# Altium PCB VESC_DEVICE.PcbDoc (part 1 of 2) (continued)
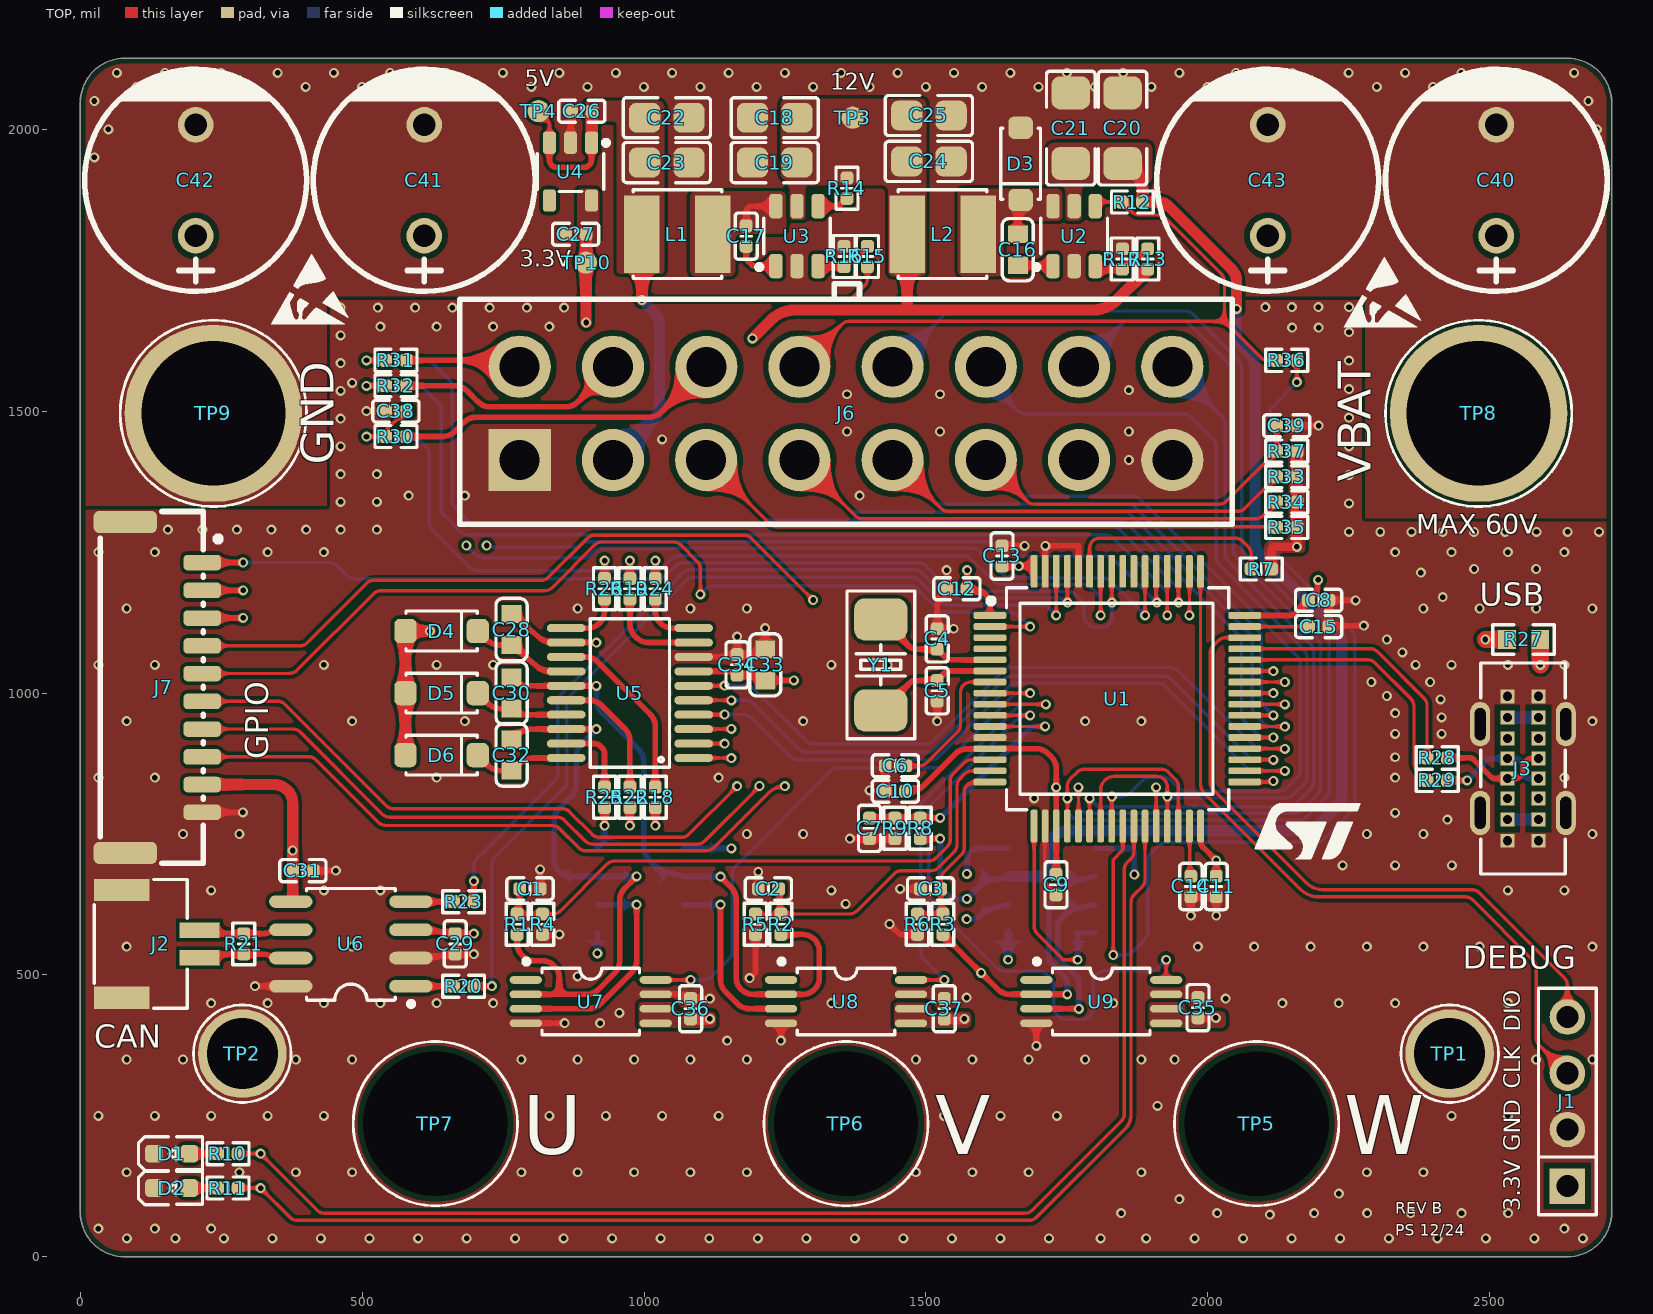
[diagram p0: TOP view]
## Footprints (in the part's own frame and the unit in brackets; to place one, negate y for a bottom-side part, rotate by r counter-clockwise, add the part's x,y. Pads: shape width x height; smd on the part's side, far side on the other; paste and mask are expansions set on the pad)
C0402 [mm] "C0402"
  rrect52% 0.58x0.58 smd mask+0.05: 1(-0.46,0) 2(0.46,0)
  silkscreen extent -1.04,-0.5 1.04,0.5, body extent -0.5,-0.25 0.5,0.25, height 0.55
C0603 [mil] "C0603"
  rect 31.5x35.4 smd: 1(-27.6,0) 2(27.6,0)
  silkscreen extent -55,-28 55,28, body extent -32,-16 31,16, height 35
C0805 [mil] "C0805"
  rrect50% 55.5x53.1 smd: 1(-39.4,0) 2(39.4,0)
  silkscreen extent -77,-36 77,36, body extent -39,-25 39,25, height 55
C1206 [mil] "C1206"
  rrect50% 58.5x68 smd: 1(-62.7,0) 2(62.6,0)
  silkscreen extent -101,-43 101,43, body extent -63,-31 63,31, height 50
CAP-TH_BD10.0-P5.00-D0.6-FD [mm]
  round 1.6 hole 1 paste-2539.97 mask+0.05: 1(-2.5,0) 2(2.5,0)
  silkscreen extent -5,-5 5.08,5, body extent -4.99,-5 5,5, height 24.91
CONN-SMD_10P-P1.25_JS_GH125-S10CCA-00 [mm]
  rrect50% 0.7x1.68 smd paste+0 mask+0.05: 1(-5.625,1.733) 2(-4.375,1.733) 3(-3.125,1.733) 4(-1.875,1.733) 5(-0.625,1.733) 6(0.625,1.733) 7(1.875,1.733) 8(3.125,1.733) 9(4.375,1.733) 10(5.625,1.733)
  rrect50% 1x2.85 smd paste+0 mask+0.05: 11(7.455,-1.733) 12(-7.455,-1.733)
  silkscreen extent -7.92,-2.86 7.92,2.58, body extent -7.9,-2.85 7.9,2.08, height 4.15
CONN-TH_HC5557-2X8A [mm]
  rect 2.8x2.8 hole 1.8: 1(-14.7,-2.1)
  round 2.8 hole 1.8: 2(-14.7,2.1) 3(-10.5,-2.1) 4(-10.5,2.1) 5(-6.3,-2.1) 6(-6.29,2.091) 7(-2.1,-2.1) 8(-2.1,2.1) 9(2.1,-2.1) 10(2.1,2.1) 11(6.3,-2.1) 12(6.3,2.1) 13(10.5,-2.1) 14(10.5,2.1) 15(14.7,-2.1) 16(14.7,2.1)
  silkscreen extent -17.4,-5 17.4,5.84, body extent -17.4,-4.95 17.4,6.45, height 13.2
HDR-SMD_8P-P1.27-V-M-C2-C4-LS5.3 [mm]
  rect 0.74x2.4 smd paste+0 mask+0.05: 1(-1.905,1.95) 2(-1.905,-1.95) 3(-0.635,1.95) 4(-0.635,-1.95) 5(0.635,1.95) 6(0.635,-1.95) 7(1.905,1.95) 8(1.905,-1.95)
  silkscreen extent -2.84,-1.7 2.69,2.64, body extent -2.74,-2.4 2.74,2.4, height 4.5
HOLE-4MM_M [mm]
  round 4 hole 3.2: 1(0,0)
  silkscreen extent -2.2,-2.2 2.2,2.2
HOLE-8MM_M#1 [mm]
  round 0 hole 6.5 unplated: 1(0,0)
  silkscreen extent -3.7,-3.7 3.7,3.7
HOLE-8MM_M#2 [mm]
  round 8 hole 6.5: 1(0,0)
  silkscreen extent -4.2,-4.2 4.2,4.2
ISP-4P-2_54 [mm] "ISP-4P-2_54"
  rect 1.6x1.6 hole 1: 1(-3.81,0)
  round 1.6 hole 1: 2(-1.27,0) 3(1.27,0) 4(3.81,0)
  silkscreen extent -5.1,-1.3 5.1,1.3, body extent -5.08,-1.33 5.09,1.33, height 8.54
L4020 [mil] "L4020"
  rect 63x137.8 smd: 1(-63,0) 2(63,0)
  silkscreen extent -79,-79 79,79, body extent -79,-79 79,79, height 73
LED0603 [mil] "LED0603"
  rrect50% 31.5x31.5 smd: 1(-31.5,0) 2(31.5,0)
  silkscreen extent -59,-30 55,30
LQFP64_10X10_05P [mm] "LQFP64_10X10_05P"
  rrect50% 0.3x1.475 smd: 1(-3.749,-5.751) 2(-3.249,-5.751) 3(-2.749,-5.751) 4(-2.249,-5.751) 5(-1.749,-5.751) 6(-1.249,-5.751) 7(-0.749,-5.751) 8(-0.249,-5.751) 9(0.251,-5.751) 10(0.751,-5.751) 11(1.251,-5.751) 12(1.751,-5.751) 13(2.251,-5.751) 14(2.751,-5.751) 15(3.251,-5.751) 16(3.751,-5.751) 33(3.751,5.725) 34(3.251,5.725) 35(2.751,5.725) 36(2.251,5.725) 37(1.751,5.725) 38(1.251,5.725) 39(0.751,5.725) 40(0.251,5.725) 41(-0.249,5.725) 42(-0.749,5.725) 43(-1.249,5.725) 44(-1.749,5.725) 45(-2.249,5.725) 46(-2.749,5.725) 47(-3.249,5.725) 48(-3.749,5.725)
  rrect50% 1.475x0.3 smd: 17(5.739,-3.763) 18(5.739,-3.263) 19(5.739,-2.763) 20(5.739,-2.263) 21(5.739,-1.763) 22(5.739,-1.263) 23(5.739,-0.763) 24(5.739,-0.263) 25(5.739,0.237) 26(5.739,0.737) 27(5.739,1.237) 28(5.739,1.737) 29(5.739,2.237) 30(5.739,2.737) 31(5.739,3.237) 32(5.739,3.737) 49(-5.737,3.737) 50(-5.737,3.237) 51(-5.737,2.737) 52(-5.737,2.237) 53(-5.737,1.737) 54(-5.737,1.237) 55(-5.737,0.737) 56(-5.737,0.237) 57(-5.737,-0.263) 58(-5.737,-0.763) 59(-5.737,-1.263) 60(-5.737,-1.763) 61(-5.737,-2.263) 62(-5.737,-2.763) 63(-5.737,-3.263) 64(-5.737,-3.763)
  silkscreen extent -5,-5.83 5,5, body extent -5.97,-6 6.03,6, height 1.31
R0402 [mm] "R0402"
  rrect52% 0.58x0.58 smd mask+0.05: 1(-0.46,0) 2(0.46,0)
  silkscreen extent -0.94,-0.5 0.94,0.5, body extent -0.5,-0.25 0.5,0.25, height 0.4
R0603 [mil] "R0603"
  rect 31.7x34 smd: 1(-29.6,0) 2(29.6,0)
  silkscreen extent -54,-26 54,26, body extent -31,-17 31,17, height 20
SHORT#1 [mil] "SHORT"
  rect 30x15 smd far side paste-99999 mask+0: 1(-14.9,0) 2(14.9,0)
SHORT#2 [mil] "SHORT"
  rect 30x15 smd far side mask+0: 1(-14.9,0)
  rect 30x15 smd far side paste+0 mask+0: 2(14.9,0)
SMD5032-2P [mil] "SMD5032-2P"
  rrect50% 74.8x94.5 smd: 1(-80.7,0) 2(80.7,0)
  silkscreen extent -131,-60 131,60, body extent -98,-63 98,63, height 56
SMD-2P-1_25 [mil] "SMD-2P-1_25"
  rect 27.6x70.9 smd: 1(-24.6,76.75) 2(24.6,76.75)
  rect 39.4x98.4 smd: 3(-95.5,-61.05) 4(95.5,-61.05)
  silkscreen extent -114,-110 114,55, body extent -113,-109 113,85, height 165
SOD-123F [mil] "SOD-123F"
  rrect50% 39.4x43.3 smd: 1(-64.1,0) 2(64.1,0)
  silkscreen extent -63,-35 63,35, body extent -73,-35 73,35, height 47
SOP-8 [mil] "SOP-8"
  oval 22.4x76.81 smd: 1(-75,-106.5) 2(-25,-106.5) 3(25,-106.5) 4(75,-106.5) 5(75,106.5) 6(25,106.5) 7(-25,106.5) 8(-75,106.5)
  silkscreen extent -110,-111 98,79, body extent -96,-118 96,118, height 69
SOT-23-5 [mm] "SOT-23-5"
  rrect50% 1.001x0.599 smd: 1(1.301,-0.95) 2(1.301,0) 3(1.301,0.95) 4(-1.301,0.95) 5(-1.301,-0.95)
  silkscreen extent -0.9,-1.7 1.4,1.5, body extent -1.4,-1.45 1.4,1.45, height 1.3
SOT-23-6 [mm] "SOT-23-6"
  rrect50% 1.1x0.599 smd: 1(1.349,-0.95) 2(1.349,0) 3(1.349,0.95) 4(-1.349,0.95) 5(-1.349,0) 6(-1.349,-0.95)
  silkscreen extent -0.8,-1.8 1.5,1.5, body extent -1.4,-1.45 1.4,1.45, height 0.97
test_point_100_smd [mm] "TEST_POINT_100_SMD"
  round 1 smd paste-100 mask+0.05: 1(0,0)
TSSOP-8 [mil] "TSSOP-8"
  oval 13.9x57.2 smd: 1(-38.4,-115.2) 2(-12.8,-115.2) 3(12.8,-115.2) 4(38.4,-115.2) 5(38.4,115.2) 6(12.8,115.2) 7(-12.8,115.2) 8(-38.4,115.2)
  silkscreen extent -75,-118 59,87, body extent -59,-126 59,126, height 47
TSSOP-20 [mil] "TSSOP-20"
  oval 14.29x68.58 smd: 1(-115.2,-113) 2(-89.6,-113) 3(-64,-113) 4(-38.4,-113) 5(-12.8,-113) 6(12.8,-113) 7(38.4,-113) 8(64,-113) 9(89.6,-113) 10(115.2,-113) 11(115.2,113) 12(89.6,113) 13(64,113) 14(38.4,113) 15(12.8,113) 16(-12.8,113) 17(-38.4,113) 18(-64,113) 19(-89.6,113) 20(-115.2,113)
  silkscreen extent -132,-70 132,70, body extent -128,-126 128,126, height 47
TYPE-C-TH_16PLC-H10.0 [mm]
  rect 0.62x0.62 hole 0.42 paste-2539.97 mask+0.05: A1(-3.25,0.7) A4(-2.3,0.7) A5(-1.35,0.7) A6(-0.45,0.7) A7(0.45,0.7) A8(1.35,0.7) A9(2.3,0.7) A12(3.25,0.7) B1(3.25,-0.7) B4(2.3,-0.7) B5(1.35,-0.7) B6(0.45,-0.7) B7(-0.45,-0.7) B8(-1.35,-0.7) B9(-2.3,-0.7) B12(-3.25,-0.7)
  oval 2x0.9 hole 0.5 slot 1.45 at 0 deg paste-2539.97 mask+0.05: A2(-2,1.93) A10(2,1.93) B2(2,-1.93) B10(-2,-1.93)
  silkscreen extent -4.75,-1.9 4.75,1.9, body extent -4.47,-2.08 4.47,2.08, height 10

## Part data
C1 C2 C3 C4 C5 C6 C7 C8 C9 C10 C11 C12 C13 C14 C15 C16 C17 C18 C19 C20 C21 C22 C23 C24 C25 C26 C27 C28 C29 C30 C31 C32 C33 C34 C35 C36 C37 C38 C39: library part "CAP NP"
  C1 C2 C3 C4 C5 C6 C7 C8 C9 C10 C11 C12 C13 C14 C15 C17 C26 C27 C29 C31 C34 C35 C36 C37 C38 C39: PCB Footprint=C0402
  C16 C28 C30 C32 C33: PCB Footprint=C0603
  C18 C19 C22 C23 C24 C25: PCB Footprint=C0805
  C20 C21: PCB Footprint=C1206
C40 C41 C42 C43: library part ERS1VM681G16OT, "容值:680uF;精度:±20%;额定电压:35V;纹波电流:-;等效串联电阻:-;", Equivalent Series Resistance(ESR)=-, LCSC Part Name="680uF ±20% 35V", Manufacturer=AISHI(艾华集团), Rated Voltage=35V, Tolerance=±20%, Add into BOM=yes, Convert to PCB=yes, Datasheet=https://atta.szlcsc.com/upload/public/pdf/source/20191015/C438940_4B8E60A742BB0AE40DDEF87A5C89089D.pdf, Device=ERS1VM681G16OT, L=-, Lead Spacing=-, Lifetime @ Temp=-, Manufacturer Part=ERS1VM681G16OT, Ripple Current=-, Supplier=LCSC, Supplier Footprint=插件,D10xL16mm, Supplier Part=C721283, Symbol=ERS1VM681G16OT, φD=-
D1 D2: library part LED, PCB Footprint=LED0603
D3 D4 D5 D6: library part "DIODE SCHOTTKY21", PCB Footprint=SOD-123F
J3: "连接器类型:Type-C;标准:USB 3.1;公母:母;安装方式:直插;触点数量:16P;端口数量:1;额定电流 - 电源:5A;触头材质:-;触头镀层:-;工作温度范围:-40℃~+85℃;", Core Colour=黑色, Current Rating - Power (Max)=5A, LCSC Part Name="Type-C 母 直插", Manufacturer="SHOU HAN(首韩)", Operating Temperature Range=-40℃~+85℃, Rated Voltage (Max)=20V, Add into BOM=yes, Connect-Disconnect Life=1万次, Connector Type=Type-C, Contact Material=-, Contact Plating=-, Convert to PCB=yes, Datasheet=https://atta.szlcsc.com/upload/public/pdf/source/20240529/CC9428849977884A813B584EA396EFE9.pdf, Device="TYPE-C 16PLC-H10.0", Gender=母, Manufacturer Part="TYPE-C 16PLC-H10.0", Mounting Style=直插, Number of Contacts=16P, Number of Ports=1, Standard="USB 3.1", Supplier=LCSC, Supplier Footprint=插件, Supplier Part=C3151747, Symbol="TYPE-C 16PLC-H10.0"
J4 J5: Color=黑色, Current Rating (Max)=3A, JLCPCB Part Class="Extended Part", LCSC Part Name="2x4P 间距:2.54mm 方针", Manufacturer="XKB Connection(中国星坤)", Operating Temperature Range=-40℃~+105℃, Soldering Temperature(Max)=260℃, Voltage Rating (Max)=250V, Add into BOM=yes, Circluar Pins/Square Pins=方针, Contact Material=黄铜, Contact Plating=金, Convert to PCB=yes, Datasheet=https://atta.szlcsc.com/upload/public/pdf/source/20211009/E3239EE5247E6BAFECB8B74A4FCF9AB8.pdf, Device=X6521WVS-2x04H-C60D74, Insulation Height=2.5mm, Length of End Connection Pin=-, Length of Mating Pin=-, Manufacturer Part=X6521WVS-2x04H-C60D74, Mounting Type=-, Number of Pins=8P, Number of Rows=双排, Pin Structure=2x4P, Pitch=2.54mm, Row Spacing=2.54mm, Supplier=LCSC, Supplier Footprint=SMD,P=2.54mm, Supplier Part=C780053, Symbol=X6521WVS-2*04H-C60D74
J6: "插针结构:2x8P;间距:4.2mm;安装方式:直插;参考系列:Mini-Fit(MX 4.2);总PIN数:16P;排数:2;每排PIN数:8;行距:4.2mm;额定电流:9A;触头材质:黄铜;触头镀层:锡;工作温度范围:-25℃~+85℃;", Colour=-, Current Rating (Max)=9A, Flame Retardant Rating=UL94V-0, LCSC Part Name="2x8P 间距:4.2mm 直插 系列:Mini-Fit(MX 4.2)", Manufacturer=HCTL(华灿天禄), Operating Temperature Range=-25℃~+85℃, Rated Voltage (Max)=600V, Add into BOM=yes, Contact Material=黄铜, Contact Plating=锡, Convert to PCB=yes, Datasheet=https://atta.szlcsc.com/upload/public/pdf/source/20230620/FF5B1F4AE343F4430EEB0EA0134778E8.pdf, Device=HC-5557-2*8A, Manufacturer Part=HC-5557-2*8A, Mounting Style=直插, Number of Pins=16P, Number of PINs Per Row=8, Number of Rows=2, Pins Structure=2x8P, Pitch=4.2mm, Plastic Material=PA66, Reference Series="Mini-Fit(MX 4.2)", Row Spacing=4.2mm, Supplementary Features=-, Supplier=LCSC, Supplier Footprint=插件,P=4.2mm, Supplier Part=C2845783, Symbol=HC-5557-2*8A, X-Length of Bottom Edge on Board (Spacing Line)=34.8mm, Y-Width of Bottom Edge on Board=11.4mm, Z-Height of the Board=13.1mm
JP1 JP2: library part SHORT, "2 PIN SHORTED TO CONNECT DIFFERENT NETS", CLASS=DISCRETE, PART_NUMBER=TMP-442
L1 L2: library part INDUCTOR, PCB Footprint=L4020
R1 R2 R3 R4 R5 R6 R7 R8 R9 R10 R11 R12 R13 R14 R15 R16 R17 R18 R19 R20 R21 R22 R23 R24 R25 R26 R27 R28 R29 R30 R31 R32 R33 R34 R35 R36 R37: library part RESISTOR
  R1 R2 R3 R4 R5 R6 R7 R8 R9 R10 R11 R12 R13 R14 R15 R16 R17 R18 R19 R20 R21 R22 R23 R24 R25 R26 R28 R29 R30 R31 R32 R33 R34 R35 R36 R37: PCB Footprint=R0402
  R27: PCB Footprint=R0603
Y1: library part CRYSTAL, PCB Footprint=SMD5032-2P
J1: PCB Footprint=ISP-4P-2_54
J2: PCB Footprint=SMD-2P-1_25
U1: PCB Footprint=LQFP64_10X10_05P
U2 U3: PCB Footprint=SOT-23-6
U4: PCB Footprint=SOT-23-5
U6: PCB Footprint=SOP-8
U7 U8 U9: PCB Footprint=TSSOP-8

## Via types
v1: diameter 17.72, hole 9.84, TOP to BOTTOM, tented both sides, 447 vias

## Nets (pads, with @x,y where several pads share a name; then routed paths per layer and width w, separated by ;. In a path a pad name is that pad's centre, name@x,y a point inside that pad or via, vN(x,y) a via of type N, cw(c..) or ccw(c..) an arc to the next point about the centre after c; other vN are vias at no path point)
3V3: C8.2 C9.2 C10.2 C11.2 C12.2 C13.2 C27.1 C31.1 C35.2 C36.2 C37.2 J1.1 J4.7 J6.13 J7.9 R7.2 R33.2 R34.2 R35.2 R37.2 TP10.1 U1.1 U1.13 U1.19 U1.32 U1.48 U1.64 U4.5 U6.5 U7.5 U7.6 U8.5 U8.6 U9.5 U9.6 | length 8049.4
  TOP w10: C10.2@1464.11,826 1473.49,826 ccw(c1473.49,856) 1494.69,834.77 1552.2,892.28 cw(c1573.4,871.06) 1573.4,901.06 U1.13@1613.25,901.06 ; v1(1573.11,1217.86) C12.2@1573.11,1185 1583.6,1185 cw(c1583.6,1155) 1613.6,1155 U1.1@1613.6,1137.6 ; U1.13@1613.6,901.38 1695.59,901.38 cw(c1695.59,871.38) 1716.79,892.6 1722.46,886.93 cw(c1701.24,865.73) 1731.24,865.73 1731.24,837.63 cw(c1701.24,837.7) v1(1730.81,832.64) ; C13.2@1635,1225 U1.64@1691.57,1225 ; v1(1730.81,832.64) cw(c1701.24,827.57) 1731.24,827.57 U1.19@1731.24,764.06 C9.2@1731.24,678.55 ; C35.2@1982.6,423.76 v1(2014.31,423.76) ; U1.32@1987.14,764.06 1987.14,737.29 ccw(c2002.14,737.29) 1991.5,726.72 v1(2015,703.22) C11.2@2015,675 ; U1.48@2066.4,1137.6 2145.34,1137.6 ccw(c2145.34,1152.6) 2155.94,1141.99 C8.2@2178.48,1164.52 ; C8.2@2179.54,1164.52 2190.15,1175.13 ccw(c2179.54,1185.73) 2194.54,1185.73 2194.54,1199.52 v1(2195.7,1200.68)
  TOP w15: R7.2@2113.11,1220 2113.11,1256 2116.27,1259.16 v1(2158.08,1259.16) ; v1(2158.08,1259.16) R35.2@2158.11,1293.82
  TOP w20: J7.9@216.29,837.76 343.55,837.76 cw(c343.55,804.42) 376.89,804.42 v1(376.89,720.7) C31.1@376.89,685 376.89,649.77 376.86,630.01 U6.5@373.5,630 ; C27.1@896.77,1813.89 896.93,1813.73 896.93,1763.61 TP10.1@897.09,1763.45 897.09,1657.6 v1(897.4,1657.29) ; C36.2@1082.6,421.89 v1(1116.66,421.89) ; C37.2@1532.6,421.89 v1(1568.35,421.9) ; R35.2@2158.11,1293.82 R34.2@2158.11,1338.82 R33.2@2158.11,1383.82 R37.2@2158.11,1429.13
  LAYER_2 w10: v1(376.89,720.7) 444.73,720.7 ccw(c444.73,750.7) 465.93,729.47 506.66,770.2 ccw(c485.43,791.4) 515.43,791.4 515.43,1063.01 cw(c545.43,1063.01) 524.21,1084.21 641.23,1201.23 cw(c662.43,1180) 662.43,1210 704.8,1210 ccw(c704.8,1236.8) 723.74,1217.84 849.42,1343.53 ccw(c811.54,1381.41) 865.12,1381.41 865.12,1575.88 ; v1(1730.81,832.64) 1730.81,818.45 ccw(c1760.81,818.45) 1730.94,815.65 1731.32,811.53 ccw(c1751.09,813.38) 1738.28,798.21 1741.45,795.53 ccw(c1760.81,818.45) 1760.81,788.45 1887.6,788.45 cw(c1887.49,748.91) 1915.58,776.74 cw(c1883.94,745.65) 1928.3,745.65
  LAYER_2 w15: 2158.08,1225 v1(2158.08,1259.16)
  LAYER_2 w20: 865.12,1575.92 865.12,1612.57 cw(c895.12,1612.57) 873.89,1633.77 v1(897.4,1657.29) cw(c914.76,1632.81) 914.68,1662.81 1628.01,1662.81 cw(c1628.01,1607.03) 1672.35,1640.89 cw(c1629.86,1598.52) 1689.86,1598.52 1689.86,1520.12 ccw(c1749.86,1520.02) 1707.41,1477.61 J6.13@1771.65,1413.38 1771.65,1225 ; v1(1116.66,421.89) v1(1568.35,421.9) 1646.41,421.89 1653.97,414.33 ccw(c1675.15,435.58) 1675.15,405.58 1844.38,405.58 ccw(c1844.38,435.58) 1865.6,414.36 1875,423.76 ; v1(1573.11,1217.86) cw(c1601.5,1165) 1601.5,1225 v1(1665,1225) 1771.65,1225 ; 1645.67,422.63 v1(1645.67,526.92) ; 1928.3,745.65 1928.3,703.22 ; v1@2195,1200.68 v1(2195.7,1200.68) ; J1.1@2637.8,125.59 2496.13,125.59 cw(c2496.13,185.59) 2453.76,143.11 2192.49,404.38 ccw(c2145.59,357.34) 2145.59,423.76 v1(2014.31,423.76) 1875,423.76 ; 1771.65,1225 2175,1225 cw(c2175,1205) 2195,1205 2195,797.99 cw(c2135,797.99) 2177.45,755.59 2143.55,721.69 cw(c2098.92,766.37) 2098.92,703.22 v1(2015,703.22) 1928.3,703.22 ; 1875,423.76 1875,538.77 cw(c1935,538.77) 1892.55,581.17 1910.77,599.39 ccw(c1868.3,641.78) 1928.3,641.78 1928.3,703.22
  BOTTOM w15: v1(1645.67,526.92) J4.7@1645.67,574.61
5V: C22.1 C23.1 C26.1 C29.2 J6.3 L1.2 R15.2 R27.2 TP4.1 U4.1 U4.3 U6.3 | length 4317.2
  TOP w6: TP4.1@812.94,2032.21 812.94,2030.13 832.19,2010.89 U4.3@832.19,1976.2 ; v1(996.32,1697.03) cw(c1003.19,1680.4) 1003.13,1698.4 1359.72,1698.4 ccw(c1359.72,1716.4) 1372.42,1703.65 1391.06,1722.29 ccw(c1378.31,1734.99) 1396.31,1734.99 R15.2@1396.31,1756.26
  TOP w10: U6.3@586.5,580 613.7,580 613.75,579.99 659.52,573.78 C29.2@664.49,573.11 ; C29.2@665,573.11 v1(698.11,573.11) ; U4.3@832.19,1976.2 832.19,1945.56 ccw(c845.27,1945.56) 845.27,1932.47 893.53,1932.47 ccw(c893.53,1945.82) 906.88,1945.82 U4.1@906.88,1976.08
  TOP w20: U4.1@906.88,1976.08 U4.1@906.99,1976.2 907.3,1976.5 907.3,2031.69 C26.1@907.6,2032 ; v1(996.32,1697.03) 996.32,1697.14 cw(c1056.31,1697.73) 996.31,1697.62 L1.2@996.31,1814.37
  TOP w30: v1(2492.34,1095) R27.2@2530.4,1095
  LAYER_2 w10: v1(698.11,573.11) 546.74,724.48 cw(c568.01,745.63) 538.01,745.63 538.01,1055.59 cw(c568.01,1055.59) 546.79,1076.79 651.23,1181.23 cw(c672.43,1160) 672.43,1190 709.07,1190 ccw(c709.07,1220) 730.27,1198.77 J6.3@944.88,1413.38
  LAYER_2 w30: v1(996.32,1697.03) 1952.18,1697.03 cw(c1952.18,1652.88) 1983.4,1684.1 2027.01,1640.49 cw(c1995.14,1608.72) 2040.14,1608.72 2040.14,1352.64 ccw(c2085.14,1352.64) 2053.31,1320.84 2067.4,1306.75 ccw(c2099.18,1338.6) 2099.18,1293.6 2168.64,1293.6 cw(c2168.64,1248.6) 2200.44,1280.44 2372.71,1108.17 ccw(c2404.52,1140) 2404.52,1095 v1(2492.34,1095)
  BOTTOM w20: J6.3@944.88,1413.38 1020.73,1489.24 1022.3,1491.52 ccw(c997.56,1508.49) 1027.56,1508.49 1027.56,1653.37 ccw(c997.56,1653.37) 1018.78,1674.57 v1(996.32,1697.03)
12V: C18.1 C19.1 C24.1 C25.1 C33.2 C34.2 D4.2 D5.2 D6.2 L2.2 R13.2 R14.1 TP3.1 U3.5 U5.7 | length 2613.3
  TOP w10: U5.7@1088,1038.4 1145.83,1038.4 cw(c1145.83,1008.4) 1149.4,1038.19 1159.52,1036.97 C34.2@1165,1031.89 1202.3,1031.89 C33.2@1215,1025 ; C33.2@1215,1022.4 1261.94,1022.4 ccw(c1261.87,1052.4) v1(1265.67,1022.64)
  TOP w20: D6.2@576.8,890 D4.2@576.8,1110 v1(620,1110) ; v1(1192.38,1628.99) 1225.24,1661.85 cw(c1267.64,1619.4) 1267.64,1679.4 1466.5,1679.4 1466.84,1679.74 1466.84,1754.99 L2.2@1466.5,1813.89 ; 1466.84,1679.4 1796.21,1679.4 ccw(c1796.21,1739.4) 1838.61,1696.95 R13.2@1893.44,1751.78
  LAYER_2 w20: v1(620,1110) 657.45,1147.45 cw(c699.85,1105) 699.85,1165 705.53,1165 ccw(c705.53,1225) 747.93,1182.55 872.83,1307.45 cw(c915.23,1265) 915.23,1325 1191.94,1325 ; v1(1192.38,1628.99) ccw(c1251.94,1621.76) 1191.94,1621.86 1191.94,1325 ; v1(1265.67,1022.64) 1265.67,1226.42 ccw(c1205.67,1226.41) 1248.1,1268.84 1209.52,1307.43 1191.94,1325
ADC_TEMP: J4.8 U1.17 | length 360.9
  TOP w6: U1.17@1691.87,764.06 1691.87,586.83 ccw(c1711.23,586.83) 1697.51,573.17 1743.76,526.92 v1(1768.94,526.92)
  BOTTOM w10: v1(1768.94,526.92) 1768.94,574.61 J4.8@1799.21,574.61
ADC_VIN: C7.2 R8.1 R9.2 U1.11 | length 476.1
  TOP w6: U1.11@1613.6,940.8 1639.63,940.4 1639.98,940.75 v1(1711.55,940.75)
  TOP w10: C7.2@1400,778.11 1405.48,778.11 1484.52,778.11 R8.1@1490,778.11 1495.48,778.41 1521.38,778.41 ccw(c1521.3,808.41) v1(1525.35,778.69)
  BOTTOM w10: v1(1525.35,778.69) ccw(c1506.23,801.81) 1527.43,780.58 1683.45,936.61 cw(c1693.45,926.6) 1693.45,940.75 v1(1711.55,940.75)
BUCK_EN: J6.8 R12.1 R36.2 U2.4 | length 1267.4
  TOP w6: J6.8@1275.59,1578.75 cw(c1284.91,1569.68) 1275.69,1578.85 1350.77,1653.93 cw(c1363.48,1641.18) 1363.48,1659.18 2029.7,1659.18 ; U2.4@1800.34,1870.89 1806.24,1870.95 R12.1@1848.2,1870.95 1853.68,1865.47 1865.95,1853.2 ccw(c1878.66,1865.95) 1878.66,1847.95 1911.86,1847.95 cw(c1911.86,1829.95) 1924.56,1842.71 2024.45,1742.81 cw(c2011.7,1730.11) 2029.7,1730.11 2029.7,1659.18 ; R36.2@2121.89,1590 2106.33,1590 cw(c2106.33,1608) 2093.63,1595.25 2029.7,1659.18
CAN_H: J2.2 R21.1 U6.7 | length 163.2
  TOP w10: J2.2@211.75,530.4 242.2,536.89 R21.1@289.49,536.89 ; R21.1@290,536.89 323.82,536.89 cw(c323.82,506.89) 335.36,534.58 346.3,530 U6.7@373.5,530
CAN_L: J2.1 R21.2 U6.6 | length 163.2
  TOP w10: J2.1@211.75,579.6 242.2,573.11 R21.2@289.49,573.11 ; R21.2@290,573.11 323.89,573.11 ccw(c323.82,603.11) 335.4,575.44 346.3,580 U6.6@373.5,580
CAN_RX: R23.2 U1.61 | length 1496
  TOP w6: U1.61@1750.92,1215.87 1750.92,1165.01 ccw(c1768.92,1165.01) v1(1751.53,1160.37)
  TOP w10: R23.2@698.11,630 v1(698.11,666.44)
  BOTTOM w6: v1(698.11,666.44) 698.11,692.9 cw(c716.11,692.9) 703.36,705.61 841.83,844.08 ccw(c829.08,856.79) 847.08,856.79 847.08,983.95 cw(c865.08,983.95) 852.33,996.65 1069.09,1213.41 cw(c1081.8,1200.66) 1081.8,1218.66 1479.48,1218.66 cw(c1479.48,1200.66) 1492.18,1213.41 1531.76,1173.83 ccw(c1544.43,1186.62) 1544.43,1168.62 1735.83,1168.62 cw(c1735.83,1150.62) 1748.56,1163.34 v1(1751.53,1160.37)
CAN_TX: R20.2 U1.62 | length 1654.2
  TOP w6: v1(1730.92,1137.6) ccw(c1713.24,1140.95) 1731.24,1140.95 U1.62@1731.24,1215.87
  TOP w10: R20.2@698.11,480 703.59,480 v1(730,480)
  BOTTOM w6: v1(730,480) 730,696.24 cw(c748,696.24) 735.25,708.95 857.99,831.69 ccw(c845.24,844.39) 863.24,844.39 863.24,981.22 cw(c881.24,981.22) 868.48,993.93 1074.83,1200.27 cw(c1087.53,1187.52) 1087.53,1205.52 1474.82,1205.52 cw(c1474.82,1187.52) 1487.5,1200.29 1527.27,1160.82 ccw(c1539.93,1173.62) 1539.93,1155.62 1705.44,1155.62 cw(c1705.44,1137.62) 1718.17,1150.35 v1(1730.92,1137.6)
CURRENT_A: U1.8 U7.8 | length 1031.5
  TOP w6: U7.8@1020.71,491.2 v1(1082.6,491.2) ; U1.8@1613.6,999.8 1639.63,999.9 1639.73,999.8 v1(1685,999.77)
  BOTTOM w6: v1(1082.6,491.2) 1106.35,491.2 ccw(c1106.35,509.2) 1119.05,496.45 1151.22,528.62 ccw(c1138.47,541.32) 1156.47,541.32 1156.47,679.55 cw(c1174.47,679.55) 1161.72,692.26 1331.58,862.12 cw(c1344.28,849.37) 1344.28,867.37 1518.86,867.37 ccw(c1518.86,885.37) 1531.56,872.62 1653.5,994.55 cw(c1666.2,981.8) 1666.2,999.8 1684.05,999.8 cw(c1683.99,981.8) v1(1685,999.77)
CURRENT_B: U1.9 U8.8 | length 780.8
  TOP w6: U8.8@1473.47,491.2 v1(1532.6,491.2) ; U1.9@1613.7,980.1 1639.63,980.1 1683.17,980.1 cw(c1683.1,962.1) 1684.99,980 1711.43,980 1711.55,980.12 1712.56,980.12 v1(1712.65,980.03)
  BOTTOM w6: v1(1532.6,491.2) 1495.9,527.9 cw(c1508.65,540.6) 1490.65,540.6 1490.65,796.36 cw(c1508.65,796.36) 1495.9,809.06 1661.62,974.78 cw(c1674.32,962.03) 1674.32,980.03 v1(1712.65,980.03)
CURRENT_C: U1.10 U9.8 | length 1127.9
  TOP w6: U1.10@1613.6,960.5 1639.63,960.25 1639.82,960.43 v1(1685,960.44) ; U9.8@1926.22,491.2 v1(1926.22,526.92)
  BOTTOM w6: v1(1685,960.44) ccw(c1685,919.76) 1656.29,948.58 1510.08,802.37 ccw(c1522.83,789.66) 1504.83,789.66 1504.83,640.9 ccw(c1522.83,640.9) 1510.08,628.2 1626.24,512.04 ccw(c1638.95,524.79) 1638.95,506.79 1701.21,506.79 cw(c1701.21,488.79) 1713.92,501.54 1721.33,494.13 cw(c1708.58,481.42) 1726.58,481.42 1726.58,442.56 ccw(c1744.58,442.56) 1731.83,429.86 1735.52,426.16 ccw(c1748.23,438.91) 1748.23,420.91 1776.77,420.91 ccw(c1776.77,438.91) 1789.48,426.16 1791.52,428.2 ccw(c1778.77,440.91) 1796.77,440.91 1796.77,486.52 cw(c1814.77,486.52) 1802.01,499.22 1805.01,502.22 cw(c1817.72,489.47) 1817.72,507.47 1899.32,507.47 ccw(c1899.32,525.47) 1912.02,512.72 v1(1926.22,526.92)
FAULT: R7.1 U1.59 | length 379.2
  TOP w6: U1.59@1790.29,1215.87 1790.29,1256.89 cw(c1808.29,1256.89) 1808.29,1274.89 2048.86,1274.89 cw(c2048.86,1256.89) 2061.56,1269.64 2071.64,1259.57 cw(c2058.89,1246.86) 2076.89,1246.86 2076.89,1225.48 R7.1@2076.89,1220
GHA: J5.1 R25.1 | length 77.5
  TOP w10: v1(930,765) 930,791.41 R25.1@930,796.89
  BOTTOM w10: J5.1@917.32,724.61 930,737.28 v1(930,765)
GHB: J4.1 R22.1 | length 1142.9
  TOP w10: v1(975,765) 975,791.41 R22.1@975,796.89
  LAYER_2 w10: v1(975,765) 975,781.21 cw(c1005,781.21) 1005,811.21 1015.42,811.21 cw(c1015.42,781.21) 1045.42,781.21 1045.42,605.71 ccw(c1075.42,605.71) 1054.19,584.51 1077.53,561.17 ccw(c1098.73,582.4) 1098.73,552.4 1561.27,552.4 ccw(c1561.14,582.4) 1582.34,561.17 1597.28,576.11 ccw(c1576.05,597.31) 1606.05,597.31 1606.05,633.53 ccw(c1576.05,633.53) 1597.28,654.73 v1(1572.81,679.2)
  BOTTOM w10: v1(1572.81,679.2) 1572.81,705.8 cw(c1587.81,705.8) 1577.2,716.4 1581.02,720.22 cw(c1591.62,709.61) 1591.62,724.61 J4.1@1645.67,724.61
GHC: J4.2 R18.1 | length 1249.7
  TOP w10: v1(1020,765) 1020,791.41 R18.1@1020,796.89
  LAYER_2 w10: v1(1020,765) 1020,595.71 ccw(c1050,595.71) 1028.77,574.51 1058.11,545.17 ccw(c1079.31,566.4) 1079.31,536.4 1573.57,536.4 ccw(c1573.47,566.4) 1594.67,545.17 1718.85,669.35 cw(c1740.05,648.12) 1740.05,678.12 v1(1869.71,678.12)
  BOTTOM w10: J4.2@1799.21,724.61 1863.56,724.61 1869.71,718.45 v1(1869.71,678.12)
GLA: J5.7 R26.1 | length 806.6
  TOP w10: R26.1@930,1203.11 930,1208.59 v1(930,1235)
  LAYER_2 w10: v1(917.32,538.11) 915.62,539.82 cw(c936.85,561.02) 906.85,561.02 906.85,801.52 cw(c936.85,801.52) 915.62,822.72 962.04,869.14 ccw(c940.81,890.34) 970.81,890.34 970.81,1076.74 ccw(c940.81,1076.74) 962.07,1097.91 938.79,1121.19 cw(c960,1142.41) 930,1142.41 v1(930,1235)
  BOTTOM w10: v1(917.32,538.11) J5.7@917.32,574.61
GLB: J5.2 R24.1 | length 679.8
  TOP w10: R24.1@1020,1203.11 1020,1208.59 v1(1020,1235)
  LAYER_2 w10: v1(1020,1235) 1020,913.4 ccw(c1050,913.4) 1028.79,892.19 1146.26,774.72 cw(c1125,753.55) 1155,753.55 v1(1155,724.61)
  BOTTOM w10: J5.2@1070.86,724.61 v1(1155,724.61)
GLC: J4.5 R19.1 | length 1301.6
  TOP w10: R19.1@975,1203.11 975,1208.59 v1(975,1235)
  LAYER_2 w10: v1(975,1235) 975,1147.05 ccw(c1005,1147.05) 980.12,1130.29 983.36,1125.48 cw(c958.47,1108.73) 988.47,1108.73 988.47,891.42 ccw(c1018.47,891.42) 997.26,870.21 1056.23,811.24 cw(c1034.97,790.07) 1064.97,790.07 1064.97,623.36 ccw(c1094.97,623.36) 1073.7,602.21 1097.82,578.09 ccw(c1119.02,599.32) 1119.02,569.32 1530.45,569.32 ccw(c1530.45,599.32) 1551.65,578.09 v1(1572.39,598.83)
  BOTTOM w10: v1(1572.39,598.83) 1583.23,598.83 ccw(c1583.23,613.83) 1593.83,603.22 1605.65,615.04 J4.5@1645.67,624.61
GND: C1.1 C2.1 C3.1 C4.1 C5.1 C6.2 C7.1 C8.1 C9.1 C10.1 C11.1 C12.1 C13.1 C14.2 C15.2 C29.1 C31.2 C33.1 C34.1 C35.1 C36.1 C37.1 C38.1 C39.2 D1.1 D2.1 J1.2 J2.3 J2.4 J3.A1 J3.A2 J3.A10 J3.A12 J3.B1 J3.B2 J3.B10 J3.B12 J6.1 J6.15 J7.10 J7.11 J7.12 JP1.2 JP2.2 R4.1 R5.1 R6.1 R9.1 TP1.1 TP2.1 U1.12 U1.18 U1.60 U1.63 U5.8 U6.2 U6.8 U7.4 U7.7 U8.4 U8.7 U9.4 U9.7 | length 2022.7
  TOP w6: U1.18@1711.55,764.06 1711.14,738.02 1710.39,683.81 ccw(c1725.32,683.6) 1710.39,683.6 1710.39,672.64 ccw(c1725.32,672.64) 1710.88,668.85 1712.14,664.04 ccw(c1729.55,668.61) 1716.8,655.91 1725.32,647.38 C9.1@1730.81,641.9
  TOP w10: J7.10@216.29,788.55 242.47,788.38 v1(288.41,788.22) ; v1(310,480) U6.8@373.5,480 ; C31.2@413.11,685 v1(453.24,685) ; v1(507.78,1500) C38.1@541.89,1500 ; U6.2@586.5,530 613.7,530 659.52,536.15 C29.1@665,536.89 v1(698.11,536.89) ; U7.4@784.89,414.4 v1(859.23,414.4) ; C1.1@815.9,647.89 v1(815.9,687.12) ; R4.1@816.09,571.89 v1(849.67,571.89) ; U7.7@1020.71,465.6 1075.11,465.6 C36.1@1082.6,458.11 v1(1116.66,458.11) ; U5.8@1088,1064 1159.52,1064 C34.1@1165,1068.11 ; v1(1165,1099.94) C34.1@1165,1068.11 ; v1(1187.51,494.17) 1197.65,504.31 R5.1@1197.65,568.87 ; C2.1@1202.61,655.11 v1(1202.61,682.85) ; v1(1215,1115.2) C33.1@1215,1077.6 1202.3,1068.11 C34.1@1165,1068.11 ; v1(1242.65,383.26) 1243.07,383.68 U8.4@1243.07,414.4 ; v1(1365,741.89) C7.1@1400,741.89 1405.48,741.89 R9.1@1445,741.89 ; v1(1400,827.48) ccw(c1409.3,856) 1409.3,826 C10.1@1427.89,826 1427.89,831.48 1427.89,865.52 C6.2@1427.89,871 ; v1(1435.41,590.38) 1453.9,571.89 1454.24,571.89 1479.52,571.89 R6.1@1485,571.89 ; v1(1454.24,652.63) C3.1@1490.12,652.63 ; v1(1520,950) C5.1@1520,985.83 ; v1(1536.89,1217.86) C12.1@1536.89,1185 1531.41,1179.52 1528.77,1176.88 ccw(c1550,1155.68) 1520,1155.68 1520,1110.11 1523.13,1113.24 1548.42,1113.24 v1(1549.23,1114.05) ; C13.1@1635,1261.22 1640.48,1261.22 1666.61,1261.22 cw(c1666.53,1231.22) 1667.77,1261.19 v1(1675.08,1260.89) ; v1@1675,1260 v1(1675.08,1260.89) ; v1@1675.22,1260.82 cw(c1659.66,1286.47) 1675.09,1260.74 v1(1675.08,1260.89) ; v1(1695.82,373.98) U9.4@1695.82,414.4 ; U1.63@1711.55,1215.87 1711.55,1260.64 v1(1711.94,1261.03) 1770.47,1261.03 1770.61,1260.89 U1.60@1770.61,1215.87 ; U1.63@1712,1216.4 U1.63@1712,1239.9 ; v1(1970,605) C14.2@1970,638.78 C11.1@2015,638.78 v1(2015,605) ; C39.2@2158.11,1474.13 v1(2196.61,1474.13) ; C15.2@2214.7,1117.91 2214.7,1163.46 2215.76,1164.52 v1(2262.2,1164.52) ; C15.2@2215.76,1119.52 2276.64,1119.52 v1(2276.73,1119.43)
  other v1: 82.6,32.88 168.69,32.88 254.78,32.88 340.87,32.88 426.97,32.88 513.06,32.88 599.15,32.88 685.25,32.88 771.34,32.88 857.43,32.88 943.52,32.88 1029.62,32.88 1115.71,32.88 1201.8,32.88 1287.9,32.88 1373.99,32.88 1460.08,32.88 1546.17,32.88 1632.27,32.88 1718.36,32.88 1810,32.88 1890.55,32.88 1976.64,32.88 2062.73,32.88 2148.82,32.88 2234.92,32.88 2321.01,32.88 2407.1,32.88 2493.19,32.88 2579.29,32.88 2665.38,32.88 32.3,50 132.3,50 232.3,50 2632.3,50 2110,75 1846.15,77.4 2016.41,77.4 2188.79,77.4 2282.6,77.4 2360,77.4 2450,77.4 2532.6,77.4 1949.58,102.27 2232.6,112.08 82.3,150 282.3,150 382.3,150 482.3,150 782.3,150 882.3,150 982.3,150 1082.3,150 1182.3,150 1482.3,150 1582.3,150 1682.3,150 1882.3,150 2282.3,150 2382.3,150 32.3,250 132.3,250 232.3,250 332.3,250 432.3,250 832.3,250 932.3,250 1032.3,250 1132.3,250 1532.3,250 1632.3,250 1732.3,250 2432.3,250 2532.3,250 1910.79,267.59 82.3,350 182.3,350 382.3,350 482.3,350 782.3,350 882.3,350 982.3,350 1082.3,350 1182.3,350 1482.3,350 1582.3,350 1682.3,350 1782.3,350 1882.3,350 1941.08,350 2582.3,350 2682.3,350 1147.58,383.26 922.33,414.4 956.12,432.64 232.3,450 332.3,450 432.3,450 532.3,450 632.3,450 732.3,450 1332.3,450 1832.3,450 2132.3,450 2232.3,450 2332.3,450 2532.3,450 2031.69,458.11 1572.39,459.79 882.3,497.28 82.3,550 482.3,550 1982.3,550 2082.3,550 2182.3,550 2282.3,550 2382.3,550 2482.3,550 2682.3,550 1357.6,625.97 232.3,650 432.3,650 532.3,650 1332.3,650 2532.3,650 2632.3,650 2239.02,694.42 2332.3,694.42 2432.75,694.42 182.3,750 282.3,750 1182.3,750 1282.3,750 2282.3,750 2382.3,750 2682.3,750 2425,775.59 2332.3,787.4 1691.87,813.38 32.3,850 132.3,850 632.3,850 1132.3,850 2332.3,850 2632.3,850 2332.3,886.11 2332.3,927.74 2414.86,927.74 82.3,950 482.3,950 682.3,950 1282.3,950 1782.3,950 1882.3,950 2682.3,950 2414.86,956.69 2332.3,964.39 2412.87,988.9 2317.8,994.74 2289.98,1019.58 2394.26,1019.58 32.3,1050 132.3,1050 432.3,1050 632.3,1050 732.3,1050 1332.3,1050 1432.3,1050 2368.5,1050 2432.3,1050 2532.3,1050 2632.3,1050 2345.15,1072 2317.8,1095 82.3,1150 882.3,1150 1082.3,1150 1182.3,1150 2382.3,1150 2482.3,1150 2582.3,1150 2682.3,1150 2416.76,1170 2378.14,1213.45 2472.56,1220 2582.6,1220 32.3,1250 132.3,1250 332.3,1250 432.3,1250 2332.3,1250 2432.3,1250 2532.3,1250 2632.3,1250 2250.48,1285.84 2305.91,1285.84 2361.33,1285.84 2416.76,1285.84 2472.19,1285.84 2527.61,1285.84 2583.04,1285.84 2638.47,1285.84 2693.89,1285.84 155.23,1290 216.54,1290 277.86,1290 339.17,1290 400.49,1290 461.8,1290 526.26,1290 2250.48,1336.46 461.8,1339.22 526.26,1339.22 582.3,1350 682.3,1350 1382.3,1350 2250.48,1387.08 461.8,1388.44 526.26,1388.44 1860,1413.38 461.8,1437.66 2250.48,1437.71 1032.3,1450 1360,1463.96 1525,1463.96 1860,1463.96 461.8,1486.88 2250.48,1488.33 1360,1530 1525,1530 461.8,1536.09 1860,1537.23 2250.48,1538.95 482.3,1550 461.8,1585.31 2250.48,1589.57 461.8,1634.53 2250.48,1640.2 2149.69,1648.19 2196.61,1648.19 532.3,1650 632.3,1650 732.3,1650 832.3,1650 461.8,1683.75 527.86,1683.75 593.92,1683.75 659.98,1683.75 726.04,1683.75 792.1,1683.75 858.16,1683.75 2102.19,1684.36 2149.1,1684.36 2196.02,1684.36 2250.48,1684.36
HA: U1.41 U5.1 | length 1124.9
  TOP w6: U5.1@1088,884.8 1115.15,884.8 1152.11,884.8 cw(c1152.04,866.8) v1(1155,884.55) ; U1.41@2065.41,999.8 2114.64,999.8 ccw(c2114.58,1017.8) v1(2116.44,999.9)
  LAYER_2 w6: v1(1155,884.55) 1157.09,886.65 cw(c1169.8,873.89) 1169.8,891.89 1974.65,891.89 ccw(c1974.65,909.89) 1987.36,897.14 2084.87,994.65 cw(c2097.57,981.9) 2097.57,999.9 v1(2116.44,999.9)
HALL_A: J6.5 R35.1 U1.37 | length 2401
  TOP w6: J6.5@1110.24,1413.38 1223.37,1300.25 ccw(c1236.08,1313) 1236.08,1295 2064.43,1295 2120.71,1295 cw(c2120.71,1293.82) R35.1@2121.89,1293.82 ; U1.37@2065.41,921.06 2114.49,921.06 ccw(c2114.43,939.06) v1(2116.44,921.18)
  BOTTOM w6: J6.5@1110.24,1413.38 1211.47,1312.16 ccw(c1224.14,1324.94) 1224.14,1306.94 1842.65,1306.94 cw(c1842.65,1288.94) 1855.35,1301.69 2054.64,1102.41 cw(c2041.88,1089.7) 2059.88,1089.7 2059.88,962.57 ccw(c2077.88,962.57) 2065.13,949.87 2088.58,926.42 ccw(c2101.28,939.18) 2101.28,921.18 v1(2116.44,921.18)
HALL_B: J6.7 R34.1 U1.38 | length 2103.6
  TOP w6: J6.7@1275.59,1413.38 1374.78,1314.19 ccw(c1387.51,1326.91) 1387.51,1308.91 2084.53,1308.91 ccw(c2084.53,1326.91) 2097.23,1314.16 R34.1@2121.89,1338.82 ; U1.38@2065.41,940.75 2091.44,940.75 2133.29,940.75 cw(c2133.23,922.75) v1(2136.78,940.39)
  BOTTOM w6: J6.7@1275.59,1413.38 1363.08,1325.89 ccw(c1375.78,1338.64) 1375.78,1320.64 1851.33,1320.64 cw(c1851.33,1302.64) 1864.03,1315.39 2073.7,1105.72 cw(c2060.95,1093.02) 2078.95,1093.02 2078.95,973.9 ccw(c2096.95,973.9) 2084.2,961.19 2099.75,945.64 ccw(c2112.46,958.39) 2112.46,940.39 v1(2136.78,940.39)
HALL_C: J6.9 R33.1 U1.39 | length 1725.8
  TOP w6: J6.9@1440.93,1413.38 1526.73,1327.59 ccw(c1539.47,1340.31) 1539.47,1322.31 2052.93,1322.31 ccw(c2052.93,1340.31) 2065.63,1327.56 R33.1@2121.89,1383.82 ; U1.39@2065.41,960.43 2114.57,960.43 ccw(c2114.51,978.43) v1(2116.44,960.54)
  BOTTOM w6: J6.9@1440.93,1413.38 1513.66,1340.66 ccw(c1526.36,1353.41) 1526.36,1335.41 1857.27,1335.41 cw(c1857.27,1317.41) 1869.98,1330.16 2089.75,1110.38 cw(c2077,1097.68) 2095,1097.68 2095,989.43 ccw(c2113,989.43) 2100.25,976.73 v1(2116.44,960.54)
HB: U1.42 U5.2 | length 1167.1
  TOP w6: U5.2@1088,910.4 1141.56,910.4 ccw(c1141.5,928.4) v1(1142.85,910.45) ; U1.42@2065.41,1019.49 2135.02,1019.49 ccw(c2134.96,1037.49) v1(2136.78,1019.58)
  LAYER_2 w6: v1(1142.85,910.45) 1172.54,910.45 cw(c1172.54,892.45) 1179.64,909 1186.01,906.25 ccw(c1193.12,922.78) 1193.12,904.78 1965.42,904.78 ccw(c1965.42,922.78) 1978.12,910.03 2082.42,1014.33 cw(c2095.13,1001.58) 2095.13,1019.58 v1(2136.78,1019.58)
HC: U1.43 U5.3 | length 1135.2
  TOP w6: U5.3@1088,936 1151.13,936 ccw(c1151.07,954) v1(1155,936.43) ; U1.43@2065.41,1039.17 2091.44,1039.17 2114.35,1039.17 cw(c2114.28,1021.17) v1(2116.44,1039.04)
  LAYER_2 w6: v1(1155,936.43) 1171.56,936.43 cw(c1171.56,918.43) 1184.27,931.19 1193.43,922.02 ccw(c1206.12,934.78) 1206.12,916.78 1958.27,916.78 ccw(c1958.27,934.78) 1970.98,922.03 2082.74,1033.79 cw(c2095.44,1021.04) 2095.44,1039.04 v1(2116.44,1039.04)
LA: U1.34 U5.4 | length 1269.5
  TOP w6: U5.4@1088,961.6 1139.57,961.6 ccw(c1139.51,979.6) v1(1142.85,961.91) ; U1.34@2065.41,862.01 2091.44,862.01 2134.14,862.01 cw(c2134.07,844.01) v1(2136.78,861.8)
  BOTTOM w6: v1(1142.85,961.91) 1176.38,961.91 cw(c1176.38,943.91) 1189.08,956.66 1255.51,890.23 ccw(c1277.5,912.33) 1277.5,881.16 1509.26,881.16 ccw(c1509.26,899.16) 1521.97,886.41 1647.95,1012.38 cw(c1660.65,999.63) 1660.64,1017.63 1911.59,1017.63 cw(c1911.53,999.63) 1924.18,1012.44 2069.51,867.11 ccw(c2082.21,879.86) 2082.21,861.86 2116.44,861.86 cw(c2116.44,844) 2116.49,861.86 v1(2136.78,861.8)
LB: U1.35 U5.5 | length 1230.3
  TOP w6: U5.5@1088,987.2 v1(1155,987.2) ; U1.35@2065.41,881.69 2091.44,881.69 2114.24,881.69 cw(c2114.17,863.69) v1@2116.43,881.55
  BOTTOM w6: v1(1155,987.2) 1180.3,987.2 cw(c1180.3,969.2) 1193.02,981.93 1272.75,902.2 ccw(c1290.82,920.46) 1290.82,894.77 1501.82,894.77 ccw(c1501.82,912.77) 1514.53,900.02 1639.29,1024.79 cw(c1652,1012.03) 1651.98,1030.03 1922.23,1030.03 cw(c1922.14,1012.03) 1934.8,1024.84 2072.82,886.81 ccw(c2085.54,899.55) 2085.54,881.55 v1(2116.44,881.55)
LC: U1.36 U5.6 | length 1273.4
  TOP w6: U5.6@1088,1012.8 1139.56,1012.8 ccw(c1139.5,1030.8) v1(1142.85,1013.11) ; U1.36@2065.41,901.38 2091.44,901.38 2133.34,901.38 cw(c2133.27,883.38) v1(2136.78,901.03)
  BOTTOM w6: v1(1142.85,1013.11) 1181.89,1013.11 cw(c1181.89,995.11) 1194.62,1007.84 1287.34,915.12 ccw(c1300.05,927.87) 1300.05,909.87 1499.95,909.87 ccw(c1499.95,927.87) 1512.66,915.12 1637.68,1040.15 cw(c1650.39,1027.4) 1650.39,1045.4 1933.36,1045.4 cw(c1933.36,1027.4) 1946.02,1040.19 2082.83,906.17 ccw(c2095.43,919.03) 2095.43,901.03 v1(2136.78,901.03)
LED_GREEN: R10.1 U1.26 | length 2206.5
  TOP w6: R10.1@280.11,183 v1(320,183) 420.35,82.65 ccw(c433.06,95.4) 433.06,77.4 1675.7,77.4 ccw(c1675.7,95.4) 1688.41,82.65 1846.15,240.39 ccw(c1831.41,255.08) 1849.56,244.89 ccw(c1833.86,253.69) 1851.86,253.63 1851.86,686.83 cw(c1869.86,686.83) 1857.11,699.53 1863.78,706.21 ccw(c1851.03,718.91) 1869.03,718.91 U1.26@1869.03,764.06
LED_RED: R11.1 U1.27 | length 2211.4
  TOP w6: R11.1@280.11,122 v1(320,122) 372.23,69.77 ccw(c384.93,82.52) 384.93,64.52 1682.97,64.52 ccw(c1682.97,82.52) 1695.67,69.77 1855.95,230.05 ccw(c1843.18,242.73) 1856.62,230.76 ccw(c1837.42,247.79) 1862.59,242.79 1863.51,247.42 ccw(c1845.86,250.92) 1863.86,250.86 1863.86,629.27 cw(c1881.86,629.27) 1869.11,641.98 1883.47,656.34 ccw(c1870.72,669.04) 1888.72,669.04 U1.27@1888.72,764.06

## Text inside footprints (layer, text, board x,y; h text height)
R22: PIN_NUMBER "1" at 965,798 h25 r90; PIN_NUMBER "2" at 965,832 h25 r90
R23: PIN_NUMBER "2" at 697,640 h25; PIN_NUMBER "1" at 663,640 h25
R24: PIN_NUMBER "2" at 1030,1168 h25 r270; PIN_NUMBER "1" at 1030,1202 h25 r270
R25: PIN_NUMBER "1" at 920,798 h25 r90; PIN_NUMBER "2" at 920,832 h25 r90
R26: PIN_NUMBER "2" at 940,1168 h25 r270; PIN_NUMBER "1" at 940,1202 h25 r270
R27: PIN_NUMBER "1" at 2563.6,1102.9 h25 r180; PIN_NUMBER "2" at 2500.6,1102.9 h25 r180
R28: PIN_NUMBER "1" at 2423.89,875 h25 r180; PIN_NUMBER "2" at 2389.89,875 h25 r180
R29: PIN_NUMBER "2" at 2389.89,835 h25 r180; PIN_NUMBER "1" at 2423.89,835 h25 r180
R30: PIN_NUMBER "2" at 543,1445 h25 r180; PIN_NUMBER "1" at 577,1445 h25 r180
R31: PIN_NUMBER "1" at 577,1580 h25 r180; PIN_NUMBER "2" at 543,1580 h25 r180
R32: PIN_NUMBER "1" at 577,1535 h25 r180; PIN_NUMBER "2" at 543,1535 h25 r180
R33: PIN_NUMBER "2" at 2157,1393.82 h25; PIN_NUMBER "1" at 2123,1393.82 h25
R34: PIN_NUMBER "1" at 2123,1348.82 h25; PIN_NUMBER "2" at 2157,1348.82 h25
R35: PIN_NUMBER "2" at 2157,1303.82 h25; PIN_NUMBER "1" at 2123,1303.82 h25
R36: PIN_NUMBER "2" at 2123,1580 h25 r180; PIN_NUMBER "1" at 2157,1580 h25 r180
R37: PIN_NUMBER "1" at 2123,1439.13 h25; PIN_NUMBER "2" at 2157,1439.13 h25
TP3: Mechanical 14 "1" at 1382.92,2025.4 h39.37 r90
TP4: Mechanical 14 "1" at 825.74,2037.13 h39.37 r90
TP10: Mechanical 14 "1" at 909.89,1768.37 h39.37 r90
U1: PIN_NUMBER "3" at 1603.6,1098.3 h25; PIN_NUMBER "4" at 1603.6,1078.6 h25; PIN_NUMBER "49" at 1967.6,1216.4 h25 r270; PIN_NUMBER "36" at 2046.4,901.4 h25; PIN_NUMBER "12" at 1593.6,921.1 h25; PIN_NUMBER "18" at 1692,763.6 h25 r270; PIN_NUMBER "63" at 1692,1216.4 h25 r270; PIN_NUMBER "60" at 1751.1,1216.4 h25 r270; PIN_NUMBER "22" at 1770.8,763.6 h25 r270; PIN_NUMBER "8" at 1603.6,999.8 h25; PIN_NUMBER "5" at 1603.6,1058.9 h25; PIN_NUMBER "15" at 1593.6,862 h25; PIN_NUMBER "62" at 1711.7,1216.4 h25 r270; PIN_NUMBER "39" at 2046.4,960.5 h25; PIN_NUMBER "35" at 2046.4,881.7 h25; PIN_NUMBER "26" at 1849.5,763.6 h25 r270; PIN_NUMBER "11" at 1593.6,940.8 h25; PIN_NUMBER "9" at 1603.6,980.2 h25; PIN_NUMBER "47" at 2046.4,1118 h25; PIN_NUMBER "41" at 2046.4,999.8 h25; PIN_NUMBER "31" at 1948,763.6 h25 r270; PIN_NUMBER "45" at 2046.4,1078.6 h25; PIN_NUMBER "46" at 2046.4,1098.3 h25; PIN_NUMBER "44" at 2046.4,1058.9 h25; PIN_NUMBER "25" at 1829.8,763.6 h25 r270; PIN_NUMBER "61" at 1731.4,1216.4 h25 r270; PIN_NUMBER "43" at 2046.4,1039.2 h25; PIN_NUMBER "10" at 1593.6,960.5 h25; PIN_NUMBER "27" at 1869.2,763.6 h25 r270; PIN_NUMBER "34" at 2046.4,862 h25; PIN_NUMBER "37" at 2046.4,921.1 h25; PIN_NUMBER "21" at 1751.1,763.6 h25 r270; PIN_NUMBER "52" at 1908.6,1216.4 h25 r270; PIN_NUMBER "24" at 1810.2,763.6 h25 r270; PIN_NUMBER "42" at 2046.4,1019.5 h25; PIN_NUMBER "17" at 1672.4,763.6 h25 r270; PIN_NUMBER "30" at 1928.3,763.6 h25 r270; PIN_NUMBER "20" at 1731.4,763.6 h25 r270; PIN_NUMBER "58" at 1790.5,1216.4 h25 r270; PIN_NUMBER "6" at 1603.6,1039.2 h25; PIN_NUMBER "29" at 1908.6,763.6 h25 r270; PIN_NUMBER "23" at 1790.5,763.6 h25 r270; PIN_NUMBER "14" at 1593.6,881.7 h25; PIN_NUMBER "48" at 2046.4,1137.6 h25; PIN_NUMBER "13" at 1593.6,901.4 h25; PIN_NUMBER "1" at 1603.6,1137.6 h25; PIN_NUMBER "64" at 1672.4,1216.4 h25 r270; PIN_NUMBER "19" at 1711.7,763.6 h25 r270; PIN_NUMBER "32" at 1967.6,763.6 h25 r270; PIN_NUMBER "16" at 1593.6,842.4 h25; PIN_NUMBER "7" at 1603.6,1019.5 h25; PIN_NUMBER "38" at 2046.4,940.8 h25; PIN_NUMBER "59" at 1770.8,1216.4 h25 r270; PIN_NUMBER "51" at 1928.3,1216.4 h25 r270; PIN_NUMBER "50" at 1948,1216.4 h25 r270; PIN_NUMBER "40" at 2046.4,980.2 h25; PIN_NUMBER "54" at 1869.2,1216.4 h25 r270; PIN_NUMBER "53" at 1888.9,1216.4 h25 r270; PIN_NUMBER "33" at 2046.4,842.4 h25; PIN_NUMBER "28" at 1888.9,763.6 h25 r270; PIN_NUMBER "2" at 1603.6,1118 h25; PIN_NUMBER "56" at 1829.8,1216.4 h25 r270; PIN_NUMBER "57" at 1810.2,1216.4 h25 r270; PIN_NUMBER "55" at 1849.5,1216.4 h25 r270
U2: PIN_NUMBER "5" at 1771.14,1857.67 h25 r270; PIN_NUMBER "4" at 1810.54,1857.67 h25 r270; PIN_NUMBER "1" at 1731.74,1751.37 h25 r270; PIN_NUMBER "6" at 1731.74,1857.67 h25 r270; PIN_NUMBER "3" at 1810.54,1755.37 h25 r270; PIN_NUMBER "2" at 1771.14,1751.37 h25 r270
U3: PIN_NUMBER "5" at 1279.51,1857.67 h25 r270; PIN_NUMBER "4" at 1318.91,1857.67 h25 r270; PIN_NUMBER "1" at 1240.11,1751.37 h25 r270; PIN_NUMBER "6" at 1240.11,1857.67 h25 r270; PIN_NUMBER "3" at 1318.91,1755.37 h25 r270; PIN_NUMBER "2" at 1279.51,1751.37 h25 r270
U4: PIN_NUMBER "4" at 861.99,1877.8 h25 r90; PIN_NUMBER "2" at 901.39,1984.1 h25 r90; PIN_NUMBER "5" at 936.79,1877.8 h25 r90; PIN_NUMBER "1" at 940.79,1984.1 h25 r90; PIN_NUMBER "3" at 861.99,1988 h25 r90
U5: PIN_NUMBER "17" at 908.1,1008.5 h25 r90; PIN_NUMBER "14" at 908.1,1083.3 h25 r90; PIN_NUMBER "20" at 908.1,929.8 h25 r90; PIN_NUMBER "9" at 1049.8,1110.6 h25 r90; PIN_NUMBER "10" at 1049.8,1162 h25 r90; PIN_NUMBER "11" at 908.1,1162 h25 r90; PIN_NUMBER "7" at 1049.8,1063.3 h25 r90; PIN_NUMBER "15" at 908.1,1059.7 h25 r90; PIN_NUMBER "18" at 908.1,980.9 h25 r90; PIN_NUMBER "8" at 1049.8,1086.9 h25 r90; PIN_NUMBER "12" at 908.1,1134.5 h25 r90; PIN_NUMBER "4" at 1049.8,984.6 h25 r90; PIN_NUMBER "1" at 1049.8,905.8 h25 r90; PIN_NUMBER "5" at 1049.8,1008.2 h25 r90; PIN_NUMBER "2" at 1049.8,933.4 h25 r90; PIN_NUMBER "6" at 1049.8,1035.7 h25 r90; PIN_NUMBER "3" at 1049.8,957 h25 r90; PIN_NUMBER "19" at 908.1,957.3 h25 r90; PIN_NUMBER "16" at 908.1,1032.1 h25 r90; PIN_NUMBER "13" at 908.1,1110.9 h25 r90
U6: PIN_NUMBER "4" at 598.1,657.7 h25 r90; PIN_NUMBER "1" at 598.1,508.1 h25 r90; PIN_NUMBER "7" at 385.5,555.3 h25 r90; PIN_NUMBER "6" at 385.5,606.5 h25 r90; PIN_NUMBER "3" at 598.1,606.5 h25 r90; PIN_NUMBER "5" at 385.5,657.7 h25 r90; PIN_NUMBER "2" at 598.1,559.3 h25 r90; PIN_NUMBER "8" at 381.6,508.1 h25 r90
U7: PIN_NUMBER "5" at 1007.91,425.6 h25 r270; PIN_NUMBER "6" at 1007.91,453.1 h25 r270; PIN_NUMBER "8" at 1007.91,504.3 h25 r270; PIN_NUMBER "2" at 779.51,476.7 h25 r270; PIN_NUMBER "7" at 1007.91,480.7 h25 r270; PIN_NUMBER "4" at 779.51,425.6 h25 r270; PIN_NUMBER "3" at 779.51,453.1 h25 r270; PIN_NUMBER "1" at 779.51,504.3 h25 r270
U8: PIN_NUMBER "1" at 1232.27,504.3 h25 r270; PIN_NUMBER "3" at 1232.27,453.1 h25 r270; PIN_NUMBER "4" at 1232.27,425.6 h25 r270; PIN_NUMBER "7" at 1460.67,480.7 h25 r270; PIN_NUMBER "2" at 1232.27,476.7 h25 r270; PIN_NUMBER "8" at 1460.67,504.3 h25 r270; PIN_NUMBER "6" at 1460.67,453.1 h25 r270; PIN_NUMBER "5" at 1460.67,425.6 h25 r270
U9: PIN_NUMBER "5" at 1913.43,425.6 h25 r270; PIN_NUMBER "6" at 1913.43,453.1 h25 r270; PIN_NUMBER "8" at 1913.43,504.3 h25 r270; PIN_NUMBER "2" at 1685.02,476.7 h25 r270; PIN_NUMBER "7" at 1913.43,480.7 h25 r270; PIN_NUMBER "4" at 1685.02,425.6 h25 r270; PIN_NUMBER "3" at 1685.02,453.1 h25 r270; PIN_NUMBER "1" at 1685.02,504.3 h25 r270
Y1: PIN_NUMBER "2" at 1411.8,1140.6 h25 r90; PIN_NUMBER "1" at 1407.9,975.2 h25 r90